# Altium PCB LimeSDR-XTRX_1v0.PcbDoc (part 1 of 8) (continued)
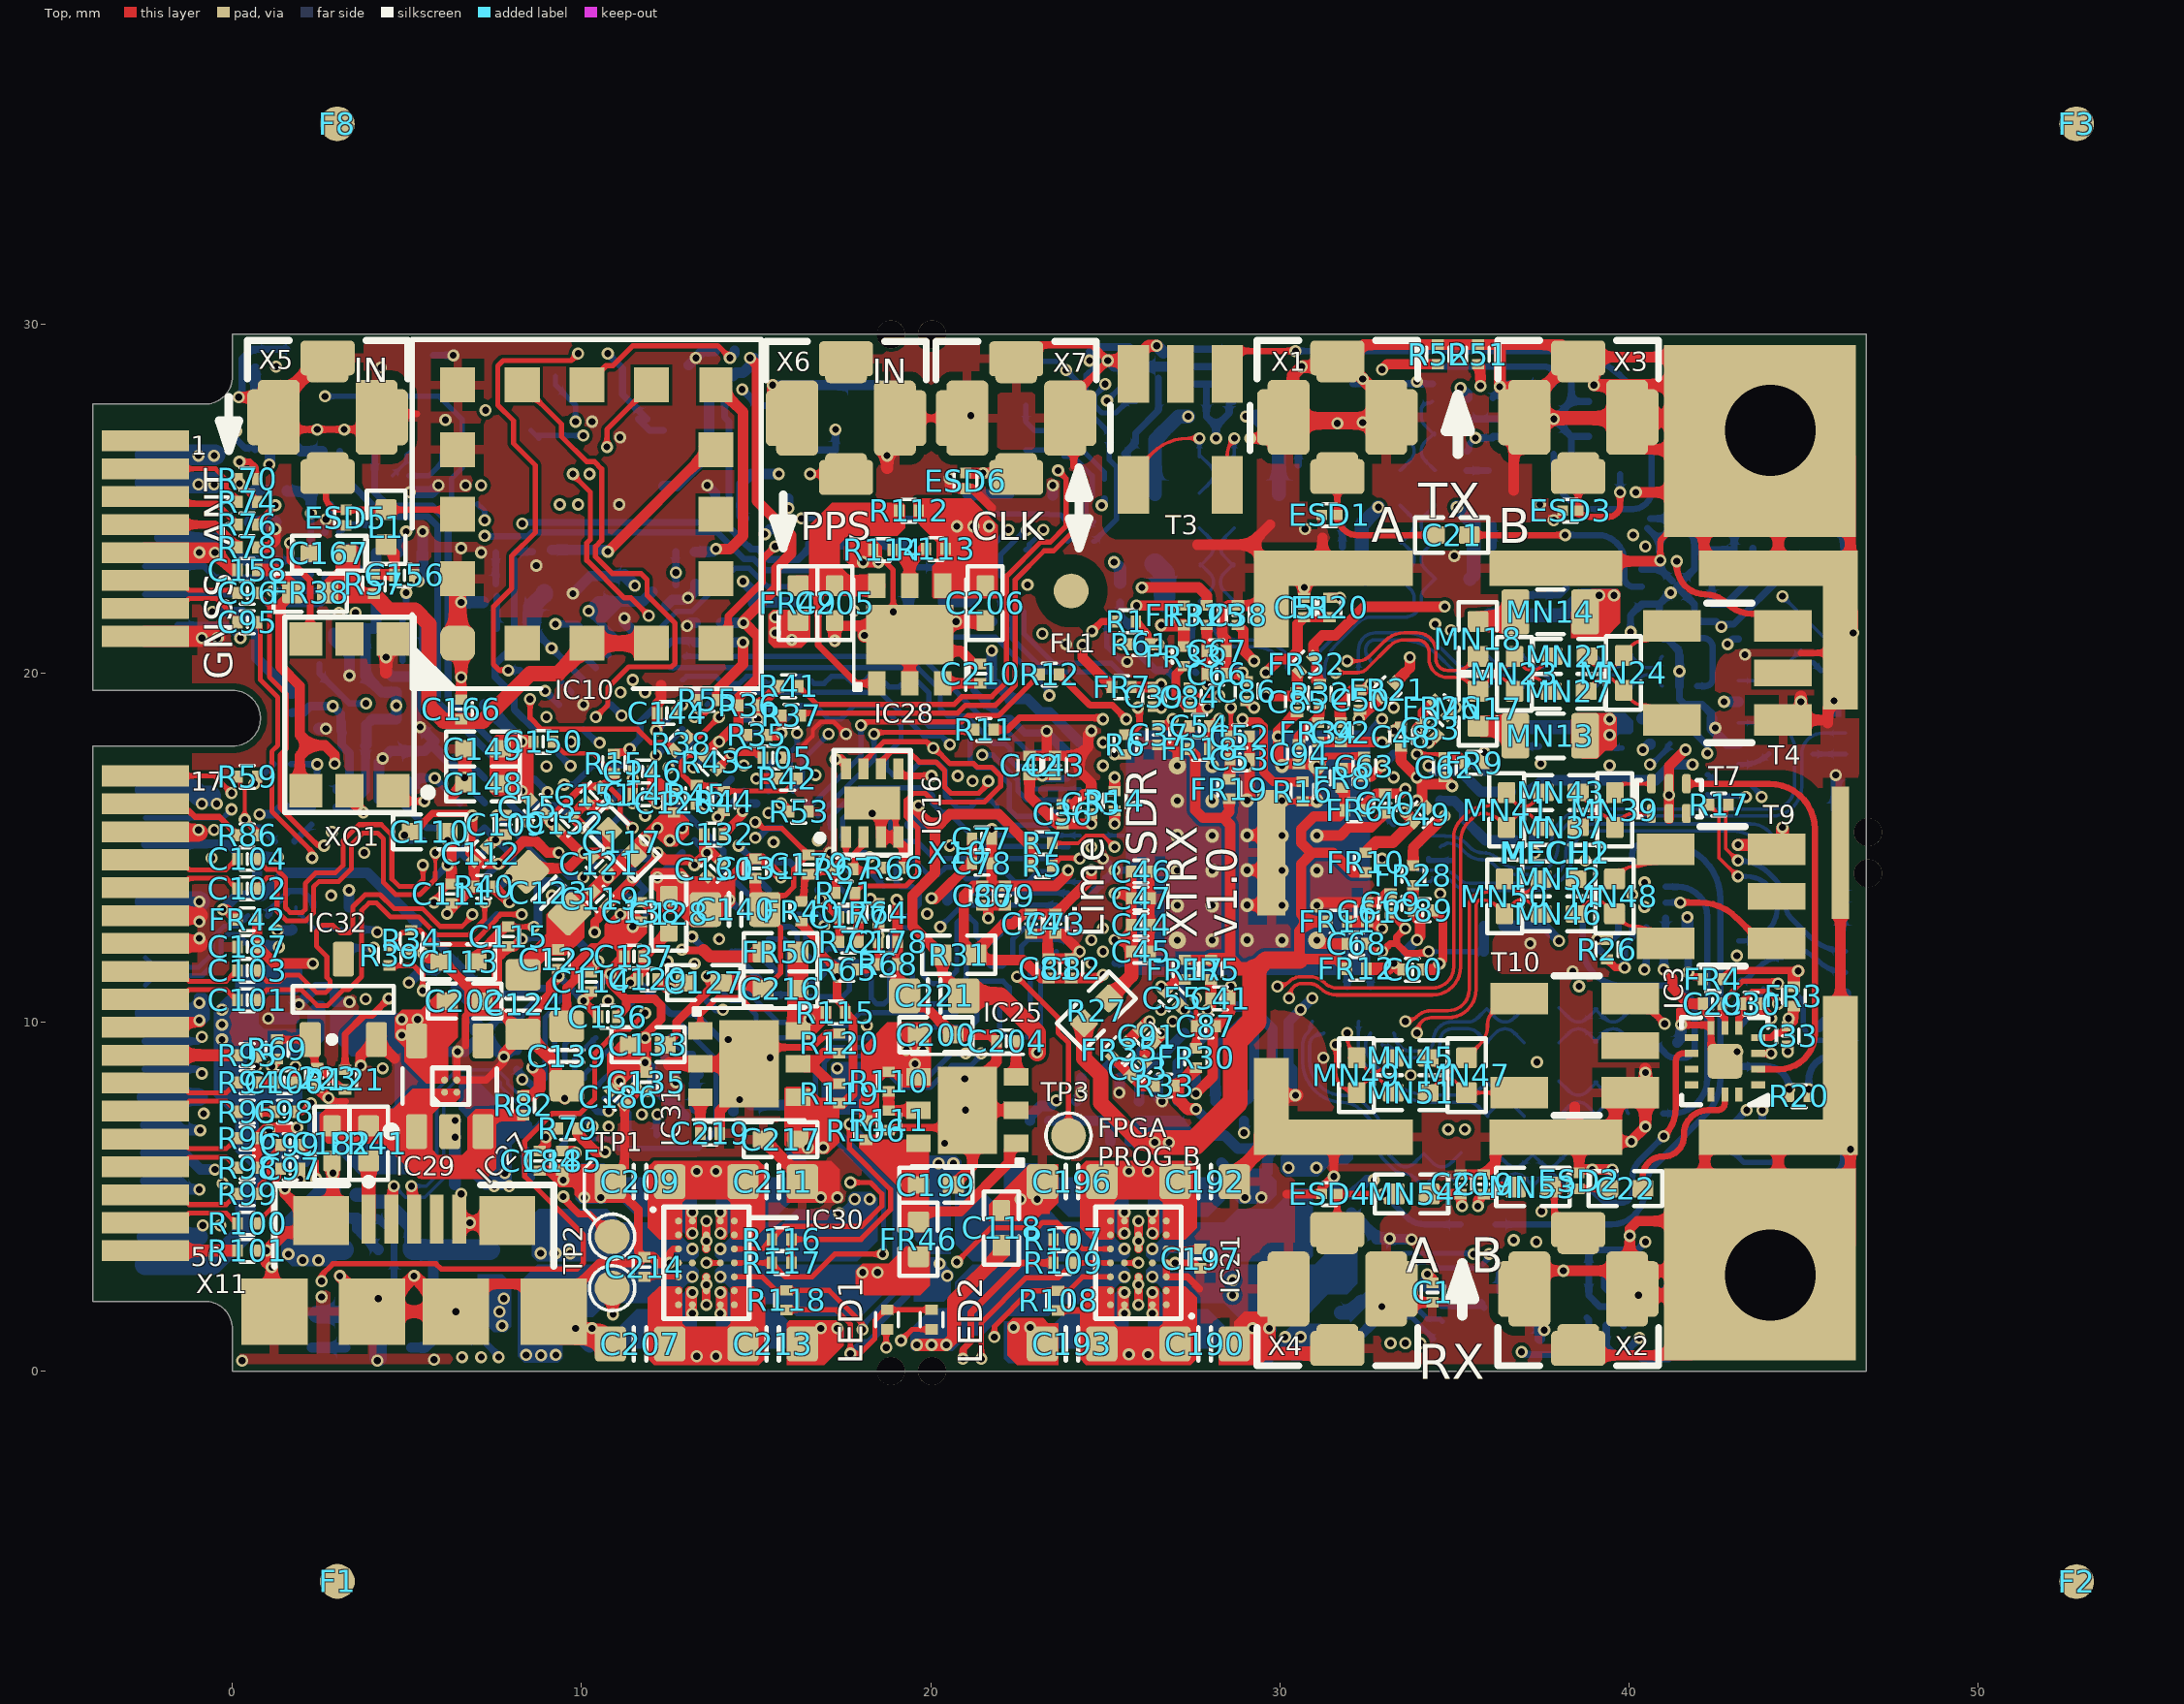
[diagram p0: Top view]
## Components (designator, comment, footprint, x,y, rotation, side; value= is the part's Value field where it differs from the comment) (continued)
C79 "1nF, 25V" CAP0201 22.13,13.62 r270 top
C80 "1uF, 6.3V" CAP0201 21.475,13.62 r270 top value="1uF, 20%"
C81 "1nF, 25V" CAP0201 23.375,11.537 r90 top
C82 "1uF, 6.3V" CAP0201 24.025,11.537 r90 top value="1uF, 20%"
C83 "1uF, 6.3V" CAP0201 34.3,18.4 r315 top value="1uF, 20%"
C84 "1uF, 6.3V" CAP0201 27.425,19.3 r90 top value="1uF, 20%"
C85 "1uF, 6.3V" CAP0201 30.495,19.161 r270 top value="1uF, 20%"
C86 "1uF, 6.3V" CAP0201 29.05,19.475 r90 top value="1uF, 20%"
C87 "1uF, 6.3V" CAP0201 27.881,9.875 r0 top value="1uF, 20%"
C88 "1uF, 6.3V" CAP0201 27.875,8.4 r180 bottom value="1uF, 20%"
C89 "1uF, 6.3V" CAP0201 34.1,13.2 r0 top value="1uF, 20%"
C90 "1uF, 6.3V" CAP0201 36.1,15.485 r90 bottom value="1uF, 20%"
C91 "1uF, 6.3V" CAP0201 26.2,9.6 r315 top value="1uF, 20%"
C92 "1uF, 6.3V" CAP0201 31.75,18.3 r90 top value="1uF, 20%"
C93 "1uF, 6.3V" CAP0201 25.937,8.662 r45 top value="1uF, 20%"
C94 "1uF, 6.3V" CAP0201 30.55,17.675 r270 top value="1uF, 20%"
C95 "100nF, 6.3V" CAP0201 0.425,21.453 r0 top
C96 "100nF, 6.3V" CAP0201 0.425,22.297 r0 top
C97 "100nF, 6.3V" CAP0201 1.655,5.8 r0 top
C98 "0R" CAP0201 1.487,7.428 r180 top
C99 "100nF, 6.3V" CAP0201 1.655,6.475 r0 top
C100 "0R" CAP0201 1.487,8.272 r180 top
C101 "100nF, 6.3V" CAP0201 0.425,10.628 r0 top
C102 "0R" CAP0201 0.425,13.828 r180 top
C103 "100nF, 6.3V" CAP0201 0.425,11.472 r0 top
C104 "0R" CAP0201 0.425,14.672 r180 top
C105 "100nF, 6.3V" CAP0201 15.475,17.575 r0 top
C106 "1nF, 25V" CAP0201 6.587,11.152 r225 bottom
C107 "4.7uF, 6.3V" CAP0402#2 5.075,17.375 r315 bottom
C108 "100nF, 6.3V" CAP0201 4.475,16.375 r180 bottom
C109 "100nF, 6.3V" CAP0201 7.825,15.65 r270 top
C110 "4.7uF, 6.3V" CAP0402#1 5.65,15.45 r180 top
C111 "100nF, 6.3V" CAP0201 6.275,13.675 r90 top
C112 "100nF, 6.3V" CAP0201 7.106,14.817 r45 top
C113 "4.7uF, 6.3V" CAP0402#1 6.475,11.725 r0 top
C114 "470nF, 6.3V" CAP0201 10.275,11.15 r270 top
C115 "470nF, 6.3V" CAP0201 7.9,12.45 r270 top
C116 "47uF, 6.3V" CAP0603#1 31.85,5.625 r90 bottom
C117 "4.7uF, 6.3V" CAP0402#1 11.15,15.15 r315 top
C118 "4.7uF, 6.3V" CAP0402#1 22.025,4.1 r270 top
C119 "470nF, 6.3V" CAP0201 10.525,13.525 r315 top
C120 "470nF, 6.3V" CAP0201 12.65,16.28 r90 top
C121 "470nF, 6.3V" CAP0201 10.5,14.525 r135 top
C122 "470nF, 6.3V" CAP0201 9.325,11.8 r270 top
C123 "47uF, 6.3V" CAP0603#2 9.05,13.7 r315 top
C124 "47uF, 6.3V" CAP0603#2 8.325,10.5 r90 top
C125 "47uF, 6.3V" CAP0603#1 16.9,7.95 r0 bottom
C126 "1uF, 6.3V" CAP0201 13.261,21.155 r90 bottom value="1uF, 20%"
C127 "4.7uF, 6.3V" CAP0402#1 13.5,11.125 r180 top
C128 "4.7uF, 6.3V" CAP0402#1 12.5,13.1 r90 top
C129 "470nF, 6.3V" CAP0201 11.9,11.225 r180 top
C130 "470nF, 6.3V" CAP0201 13.8,14.375 r45 top
C131 "470nF, 6.3V" CAP0201 14.975,14.4 r270 top
C132 "470nF, 6.3V" CAP0201 13.795,15.375 r180 top
C133 "4.7uF, 6.3V" CAP0402#1 11.9,9.35 r180 top
C134 "4.7uF, 6.3V" CAP0402#2 13.85,8.5 r180 bottom
C135 "470nF, 6.3V" CAP0201 11.85,8.275 r270 top
C136 "470nF, 6.3V" CAP0201 10.75,10.15 r180 top
C137 "470nF, 6.3V" CAP0201 11.5,11.875 r0 top
C138 "470nF, 6.3V" CAP0201 11.695,13.155 r90 top
C139 "47uF, 6.3V" CAP0603#2 9.575,9.025 r90 top
C140 "47uF, 6.3V" CAP0603#2 14.4,13.225 r180 top
C141 "47uF, 6.3V" CAP0603#1 13.8,7.275 r180 bottom
C142 "4.7uF, 6.3V" CAP0402#2 8.075,21.197 r0 bottom
C143 "4.7uF, 6.3V" CAP0402#2 10.85,22.424 r225 bottom
C144 "470nF, 6.3V" CAP0201 12.445,18.85 r180 top
C145 "470nF, 6.3V" CAP0201 11.747,16.525 r0 top
C146 "470nF, 6.3V" CAP0201 11.747,17.175 r0 top
C147 "470nF, 6.3V" CAP0201 12.225,22.125 r315 bottom
C148 "4.7uF, 6.3V" CAP0402#1 7.175,16.825 r0 top
C149 "4.7uF, 6.3V" CAP0402#1 7.175,17.825 r0 top
C150 "470nF, 6.3V" CAP0201 8.9,18.025 r0 top
C151 "470nF, 6.3V" CAP0201 10.35,16.5 r45 top
C152 "470nF, 6.3V" CAP0201 9.525,15.7 r225 top
C153 "470nF, 6.3V" CAP0201 8.725,16.15 r315 top
C154 "47uF, 6.3V" CAP0603#1 8.075,22.3 r0 bottom
C155 "47uF, 6.3V" CAP0603#1 6.634,18.66 r45 bottom
C156 "1nF, 25V" CAP0201 4.925,22.8 r0 top
C157 "1nF, 25V" CAP0201 20.995,23.405 r270 bottom
C158 "100nF, 6.3V" CAP0201 0.425,22.95 r180 top
C159 "100nF, 6.3V" CAP0201 13.85,24.655 r90 bottom
C160 "100nF, 6.3V" CAP0201 40.105,0.4 r0 bottom
C161 "22pF, 50V" CAP0201 12.98,22.555 r0 bottom
C162 "22pF, 50V" CAP0201 7.82,23.445 r180 bottom
C163 "22pF, 50V" CAP0201 14.1,29.225 r180 bottom
C164 "1nF, 25V" CAP0201 1.525,15.175 r0 bottom
C165 "22pF, 50V" CAP0201 6.675,1.155 r90 bottom
C166 "100pF, 50V" CAP0201 6.55,18.959 r270 top
C167 "4.7uF, 6.3V" CAP0402#1 2.75,23.425 r0 top
C168 "100nF, 6.3V" CAP0201 4.975,19.45 r0 bottom
C169 "1nF, 25V" CAP0201 4.975,18.7 r180 bottom
C170 "100nF, 6.3V" CAP0201 24.925,28.725 r0 bottom
C171 "1nF, 25V" CAP0201 5.15,20.35 r180 bottom
C172 "100nF, 6.3V" CAP0201 3.175,21.275 r180 bottom
C173 "100nF, 6.3V" CAP0201 21.095,21.75 r270 bottom
C174 "1uF, 6.3V" CAP0201 16.275,23.685 r180 bottom value="1uF, 20%"
C175 "4.7uF, 6.3V" CAP0402#2 1.225,23.725 r270 bottom
C176 "1uF, 6.3V" CAP0201 1.28,25.25 r180 bottom value="1uF, 20%"
C177 "100nF, 6.3V" CAP0201 17.65,13 r180 top
C178 "100nF, 6.3V" CAP0201 18.775,12.3 r0 top
C179 "100nF, 6.3V" CAP0201 16.5,14.51 r90 top
C180 "100nF, 6.3V" CAP0201 0.65,28.995 r90 bottom
C181 "100nF, 6.3V" CAP0201 2.53,24.825 r0 bottom
C182 "1uF, 10V" CAP0402#1 2.85,6.525 r90 top
C183 "1uF, 6.3V" CAP0201 8.4,6.6 r270 bottom value="1uF, 20%"
C184 "1uF, 6.3V" CAP0201 8.8,6.021 r270 top value="1uF, 20%"
C185 "1uF, 6.3V" CAP0201 9.446,6.021 r270 top value="1uF, 20%"
C186 "1uF, 6.3V" CAP0201 11.05,7.85 r315 top value="1uF, 20%"
C187 "100nF, 6.3V" CAP0201 0.425,12.15 r180 top
C188 "4.7uF, 6.3V" CAP0402#2 6.325,2.975 r90 bottom
C189 "4.7uF, 6.3V" CAP0402#2 2.01,2.975 r90 bottom
C190 "10uF, 10V" CAP0603#2 27.85,0.775 r180 top
C191 "47uF, 6.3V" CAP0603#1 22.6,1.55 r90 bottom
C192 "10uF, 10V" CAP0603#2 27.85,5.425 r180 top
C193 "10uF, 10V" CAP0603#2 24.05,0.775 r0 top
C194 "100pF, 50V" CAP0201 2,0.675 r0 bottom
C195 "47uF, 6.3V" CAP0603#1 29.3,1.55 r90 bottom
C196 "10uF, 10V" CAP0603#2 24.05,5.425 r0 top
C197 "100nF, 6.3V" CAP0201 27.725,3.22 r270 top
C198 "47uF, 6.3V" CAP0603#1 22.6,4.65 r270 bottom
C199 "4.7uF, 6.3V" CAP0402#1 20.15,5.325 r180 top
C200 "4.7uF, 6.3V" CAP0402#1 20.146,9.636 r180 top
C201 "47uF, 6.3V" CAP0603#1 29.3,4.65 r270 bottom
C202 "1uF, 10V" CAP0402#1 6.65,10.6 r180 top
C203 "10uF, 10V" CAP0603#1 7.029,8.675 r270 bottom
C204 "100pF, 50V" CAP0201 22.17,9.445 r0 top
C205 "4.7uF, 6.3V" CAP0402#1 17.25,22 r90 top
C206 "4.7uF, 6.3V" CAP0402#1 21.565,22 r90 top
C207 "10uF, 10V" CAP0603#2 11.675,0.775 r0 top
C208 "47uF, 6.3V" CAP0603#1 16.925,4.65 r270 bottom
C209 "10uF, 10V" CAP0603#2 11.675,5.425 r0 top
C210 "100pF, 50V" CAP0201 21.42,19.98 r270 top
C211 "10uF, 10V" CAP0603#2 15.475,5.425 r180 top
C212 "47uF, 6.3V" CAP0603#1 10.225,4.65 r270 bottom
C213 "10uF, 10V" CAP0603#2 15.475,0.775 r180 top
C214 "100nF, 6.3V" CAP0201 11.8,2.98 r90 top
C215 "47uF, 6.3V" CAP0603#1 16.925,1.55 r90 bottom
C216 "4.7uF, 6.3V" CAP0402#1 15.7,10.95 r0 top
C217 "4.7uF, 6.3V" CAP0402#1 15.7,6.635 r0 top
C218 "47uF, 6.3V" CAP0603#1 10.225,1.55 r90 bottom
C219 "100pF, 50V" CAP0201 13.68,6.805 r180 top
C220 "4.7uF, 6.3V" CAP0402#2 32.275,3.725 r180 bottom
C221 "10uF, 10V" CAP0603#2 20.1,10.75 r0 top
C222 "1uF, 6.3V" CAP0201 31.75,0.7 r0 bottom value="1uF, 20%"
C223 "100nF, 6.3V" CAP0201 2.425,8.4 r270 top
ESD1 "ESD8472" ESD8472_X3DFN2 31.425,24.525 r180 top
ESD2 "ESD8472" ESD8472_X3DFN2 38.575,5.45 r90 top
ESD3 "ESD8472" ESD8472_X3DFN2 38.325,24.65 r180 top
ESD4 "ESD8472" ESD8472_X3DFN2 31.425,5.075 r180 top
ESD5 "ESD8472" ESD8472_X3DFN2 3.25,24.45 r270 top
ESD6 "ESD8472" ESD8472_X3DFN2 21,25.5 r270 top
F1 "Fiducial" Fiducial 3.005,-6.025 r0 top locked
F2 "Fiducial" Fiducial 52.825,-6.03 r0 top locked
F3 "Fiducial" Fiducial 52.825,35.73 r0 top locked
F4 "Fiducial" Fiducial 3,35.73 r180 bottom locked
F5 "Fiducial" Fiducial 3.005,-6.025 r180 bottom locked
F6 "Fiducial" Fiducial 52.825,-6.03 r180 bottom locked
F7 "Fiducial" Fiducial 52.825,35.73 r180 bottom locked
F8 "Fiducial" Fiducial 3,35.73 r0 top locked
FL1 "Fiducial" Fiducial_local 24.025,22.35 r0 top
FL2 "Fiducial" Fiducial_local 24.025,22.35 r180 bottom
FR1 "600R, 0.27A" RES0201 45.075,23.1 r90 bottom value=600R@100MHz
FR2 "600R, 0.27A" RES0201 35.375,27.605 r270 bottom value=600R@100MHz
FR3 "600R, 0.27A" RES0201 44.725,10.735 r90 top value=600R@100MHz
FR4 "600R, 0.27A" RES0201 42.4,11.225 r0 top value=600R@100MHz
FR5 "600R, 0.27A" RES0201 28.025,11.5 r90 top value=600R@100MHz
FR6 "600R, 0.27A" RES0201 32.147,16.065 r180 top value=600R@100MHz
FR7 "600R, 0.27A" RES0201 25.472,19.595 r180 top value=600R@100MHz
FR8 "600R, 0.27A" RES0201 31.772,16.99 r270 top value=600R@100MHz
FR9 "600R, 0.27A" RES0201 35.575,17.425 r0 top value=600R@100MHz
FR10 "600R, 0.27A" RES0201 32.459,14.57 r270 top value=600R@100MHz
FR11 "600R, 0.27A" RES0201 31.65,12.875 r180 top value=600R@100MHz
FR12 "600R, 0.27A" RES0201 32.2,11.525 r180 top value=600R@100MHz
FR13 "600R, 0.27A" RES0201 29.8,7.45 r270 bottom value=600R@100MHz
FR14 "600R, 0.27A" RES0201 27.075,7.45 r270 bottom value=600R@100MHz
FR15 "600R, 0.27A" RES0201 25.97,7.45 r270 bottom value=600R@100MHz
FR16 "600R, 0.27A" RES0201 25.425,6.575 r0 bottom value=600R@100MHz
FR17 "600R, 0.27A" RES0201 27.275,11.5 r90 top value=600R@100MHz
FR18 "600R, 0.27A" RES0201 27.7,17.825 r180 top value=600R@100MHz
FR19 "600R, 0.27A" RES0201 28.55,16.675 r270 top value=600R@100MHz
FR20 "600R, 0.27A" RES0201 31.425,21.875 r90 top value=600R@100MHz
FR21 "600R, 0.27A" RES0201 33.097,19.515 r45 top value=600R@100MHz
FR22 "600R, 0.27A" RES0201 36.905,16.595 r0 bottom value=600R@100MHz
FR23 "600R, 0.27A" RES0201 29,7.45 r270 bottom value=600R@100MHz
FR24 "600R, 0.27A" RES0201 36.125,12.75 r0 bottom value=600R@100MHz
FR25 "600R, 0.27A" RES0201 27.909,21.655 r90 top value=600R@100MHz
FR26 "600R, 0.27A" RES0201 34.625,19 r315 top value=600R@100MHz
FR27 "600R, 0.27A" RES0201 37.025,15.205 r180 bottom value=600R@100MHz
FR28 "600R, 0.27A" RES0201 33.82,14.2 r270 top value=600R@100MHz
FR29 "600R, 0.27A" RES0201 28.15,7.45 r270 bottom value=600R@100MHz
FR30 "600R, 0.27A" RES0201 27.601,8.97 r270 top value=600R@100MHz
FR31 "600R, 0.27A" RES0201 27.25,21.65 r270 top value=600R@100MHz
FR32 "600R, 0.27A" RES0201 30.768,20.248 r45 top value=600R@100MHz
FR33 "600R, 0.27A" RES0201 27.25,20.475 r90 top value=600R@100MHz
FR34 "600R, 0.27A" RES0201 31.1,18.3 r270 top value=600R@100MHz
FR35 "600R, 0.27A" RES0201 25.4,9.2 r225 top value=600R@100MHz
FR36 "600R, 0.27A" RES0201 12.95,23.475 r0 bottom value=600R@100MHz
FR37 "600R, 0.27A" RES0201 8.875,23.525 r0 bottom value=600R@100MHz
FR38 "220R, 0.9A" RES0402#1 2.225,22.3 r0 top
FR39 "600R, 0.27A" RES0201 14.1,28.225 r270 bottom value=600R@100MHz
FR40 "600R, 0.27A" RES0201 16.295,13.175 r90 top value=600R@100MHz
FR41 "220R, 0.9A" RES0402#1 3.9,6.525 r90 top
FR42 "600R, 0.27A" RES0201 0.425,12.939 r0 top
FR43 "220R, 0.9A" RES0402#2 7.375,2.975 r90 bottom
FR44 "220R, 0.9A" RES0402#2 20.775,2.55 r180 bottom
FR45 "220R, 0.9A" RES0402#2 20.775,3.65 r180 bottom
FR46 "220R, 0.9A" RES0402#1 19.65,3.775 r90 top
FR47 "220R, 0.9A" RES0402#2 30.65,5.375 r90 bottom
FR48 "600R, 2A" RES0805#1 6.175,6.45 r0 bottom
FR49 "220R, 0.9A" RES0402#1 16.2,22 r90 top
FR50 "220R, 0.9A" RES0402#1 15.7,12 r0 top
FR51 "220R, 0.9A" RES0402#2 30.575,1.55 r270 bottom
FR52 "220R, 0.9A" RES0402#2 31.75,2.175 r270 bottom
IC1 "LMS7002M" LMS7002M_V5_LESS_SILK 29.265,14.85 r180 bottom locked
IC2 "M24128" M24128-DFMC6TG 36.05,1.675 r180 bottom
IC3 "SKY13414-485LF" SKY13414-485LF_RF_SW_QFN14 42.75,8.875 r180 top
IC4 "SKY13414-485LF" SKY13414-485LF_RF_SW_QFN14 40.1,13.65 r180 bottom
IC5 "SKY13330-397LF" SKY13330-397LF_RF_SW_QFN12 41.375,22.475 r0 bottom
IC6 "SKY13330-397LF" SKY13330-397LF_RF_SW_QFN12 37.85,27.275 r180 bottom
IC7 "XC7A50T-2CPG236I" XC7A35T-2CPG236 11.467,14.85 r315 bottom locked
IC8 "TMP1075NDRLR" TMP1075NDRLR_TEMPERATURE_SENSOR_SOT563 39.35,2.05 r270 bottom locked
IC9 "74LVC1G34QSE-7" 74AHCT1G126SE-7_BUFFER_SOT353 18.4,23.025 r180 bottom
IC10 "GNSS M10578-A3" M10578-A3_V2 10.15,24.55 r90 top locked
IC11 "74LVC1G34QSE-7" 74AHCT1G126SE-7_BUFFER_SOT353 3.15,19.25 r90 bottom
IC12 "74LVC1G3157FZ4" 74LVC1G3157FZ4_SPDT_SW_DFN1410-6 2.625,16.15 r0 bottom
IC13 "M24128" M24128-DFMC6TG 27.275,28.525 r180 bottom
IC14 "74LVC1G34QSE-7" 74AHCT1G126SE-7_BUFFER_SOT353 4.775,22.475 r270 bottom
IC15 "NVT4555UKZ" NVT4555UKZ_SIM_INTERFACE_WLCSP12 2.65,23.425 r180 bottom
IC16 "AD5693RACPZ" AD5693RACPZ-1RL7_DAC_8LFCSP 18.325,16.275 r90 top
IC17 "MX25L25645GZ2I-08G" S25FL164K_WSON8_DFN6 19.425,27 r180 bottom locked
IC18 "USB3333E-GL" USB3333E-GL_USB_PHY_25WLCSP 9.516,7.809 r45 bottom
IC19 "PI5A23157ZUAEX" PI5A23157ZUAEX_SPDT_SW_10UQFN 2.575,12.65 r270 bottom
IC20 "LD39100PUR" LD39100PUR 4.175,2.075 r180 bottom
IC21 "LP8758A1E0YFFR" LP8758A1E0YFFR_QUAD_DC-DC_35DSBGA 25.95,3.1 r180 top
IC22 "MAX40200ANS+" MAX40200ANS+_IDEAL_DIODE_4WLP 2.725,7.15 r0 bottom
IC23 "MAX40200ANS+" MAX40200ANS+_IDEAL_DIODE_4WLP 2.725,10.325 r0 bottom
IC24 "MAX40203AUK" SOT23-5_v1#1 2.725,7.125 r0 bottom
IC25 "LD39100PUR" LD39100PUR 21.05,7.475 r90 top
IC26 "MAX40203AUK" SOT23-5_v1#1 2.725,10.3 r0 bottom
IC27 "MAX40200ANS+" MAX40200ANS+_IDEAL_DIODE_4WLP 6.25,8.162 r90 top
IC28 "LD39100PUR" LD39100PUR 19.4,21.1 r0 top
IC29 "MAX40203AUK" SOT23-5_v1#2 6.225,8.162 r90 top
IC30 "LP8758A1E0YFFR" LP8758A1E0YFFR_QUAD_DC-DC_35DSBGA 13.575,3.1 r0 top
IC31 "LD39100PUR" LD39100PUR 14.8,8.8 r270 top
IC32 "LM4040D30FTA" LM4040D30FTA_VOLTAGE_REFERENCE_SOT23-3 3.175,10.65 r90 top
L1 "47nH" RES0402#1 4.4,24.175 r270 top
L2 "0.47uH, 4A" IND0806 24.275,1.65 r90 bottom
L3 "0.47uH, 4A" IND0806 27.625,1.65 r90 bottom
L4 "0.47uH, 4A" IND0806 24.275,4.55 r270 bottom
L5 "0.47uH, 4A" IND0806 27.625,4.55 r270 bottom
L6 "0.47uH, 4A" IND0806 15.225,4.55 r270 bottom
L7 "0.47uH, 4A" IND0806 11.925,4.55 r270 bottom
L8 "0.47uH, 4A" IND0806 15.225,1.65 r90 bottom
L9 "0.47uH, 4A" IND0806 11.925,1.65 r90 bottom
LED1 "LED_green" LED0201 18.75,1.475 r270 top
LED2 "LED_green" LED0201 20.025,1.475 r270 top
MECH1 "BMI-S-202-C" BMI-S-202-C_RF_SHIELD_COVER 37.868,14.85 r0 top
MECH2 "BMI-S-202-F" BMI-S-202-F_RF_SHIELD_FRAME_V2 37.909,14.85 r0 top locked
MN1 "10 nH, 5%" RES0402#2 35.9,19.05 r270 bottom
MN2 "10 nH, 5%" RES0402#2 35.9,21.05 r90 bottom
MN3 "10 nH, 5%" RES0402#2 34.95,22.7 r0 bottom
MN4 "10 nH, 5%" RES0402#2 32.95,22.7 r180 bottom
MN5 "10 pF, 50V" CAP0402#2 38.5,20.55 r0 bottom
MN6 "10 pF, 50V" CAP0402#2 33.45,25.3 r90 bottom
MN7 "0.5pF" CAP0402#2 40.05,20.05 r270 bottom
MN8 "0.5pF" CAP0402#2 33.95,26.85 r0 bottom
MN9 "1pF" CAP0402#2 36.95,20.05 r90 bottom
MN10 "1pF" CAP0402#2 33.95,23.75 r180 bottom
MN11 "10 pF, 50V" CAP0402#2 38.5,19.55 r180 bottom
MN12 "10 pF, 50V" CAP0402#2 34.45,25.3 r270 bottom
MN13 "100uH" RES0805#2 37.75,18.2 r0 top
MN14 "100uH" RES0805#2 37.75,21.75 r0 top
MN15 "100uH" RES0805#1 26.425,24.125 r90 bottom
MN16 "100uH" RES0805#1 29.975,24.125 r90 bottom
MN17 "0R" RES0402#1 35.675,18.975 r270 top
MN18 "0R" RES0402#1 35.675,20.975 r90 top
MN19 "0R" RES0402#2 27.2,22.05 r180 bottom
MN20 "0R" RES0402#2 29.2,22.05 r0 bottom
MN21 "100nF, 16V" CAP0402#1 38.3,20.475 r180 top
MN22 "100nF, 16V" CAP0402#2 28.7,24.65 r270 bottom
MN23 "1pF, 50V" CAP0402#1 36.725,19.975 r270 top
MN24 "2pF, 50V" CAP0402#1 39.85,20 r90 top
MN25 "1pF, 50V" CAP0402#2 28.2,23.1 r180 bottom
MN26 "2pF, 50V" CAP0402#2 28.2,26.2 r0 bottom
MN27 "100nF, 16V" CAP0402#1 38.275,19.475 r0 top
MN28 "100nF, 16V" CAP0402#2 27.7,24.65 r90 bottom
MN29 "470pF, 50V" CAP0402#2 37.502,10.405 r180 bottom
MN30 "470pF, 50V" CAP0402#2 35.697,6.253 r180 bottom
MN31 "10 nH, 5%" RES0402#2 37.248,5.753 r90 bottom
MN32 "10 nH, 5%" RES0402#2 39.052,9.905 r90 bottom
MN33 "1pF, 50V" CAP0402#2 34.147,5.753 r90 bottom
MN34 "1pF, 50V" CAP0402#2 35.952,9.905 r90 bottom
MN35 "470pF, 50V" CAP0402#2 35.697,5.253 r180 bottom
MN36 "470pF, 50V" CAP0402#2 37.502,9.405 r180 bottom
MN37 "10 pF, 50V" CAP0402#1 38.048,15.575 r180 top
MN38 "10 pF, 50V" CAP0402#2 37.502,8.305 r180 bottom
MN39 "0.5pF, 50V" CAP0402#1 39.598,16.075 r270 top
MN40 "0.5pF, 50V" CAP0402#2 39.052,7.805 r90 bottom
MN41 "1pF, 50V" CAP0402#1 36.498,16.075 r270 top
MN42 "1pF, 50V" CAP0402#2 35.952,7.805 r90 bottom
MN43 "10 pF, 50V" CAP0402#1 38.048,16.575 r180 top
MN44 "10 pF, 50V" CAP0402#2 37.502,7.305 r180 bottom
MN45 "100pF, 50V" CAP0402#1 33.75,8.975 r180 top
MN46 "100pF, 50V" CAP0402#1 37.988,13.1 r180 top
MN47 "10 nH, 5%" RES0402#1 35.35,8.475 r90 top
MN48 "10 nH, 5%" RES0402#1 39.588,13.6 r270 top
MN49 "0.8pF" CAP0402#1 32.2,8.475 r90 top
MN50 "0.8pF" CAP0402#1 36.438,13.6 r270 top
MN51 "100pF, 50V" CAP0402#1 33.75,7.975 r180 top
MN52 "100pF, 50V" CAP0402#1 37.988,14.1 r180 top
MN53 "47nH" RES0402#1 37.25,5.275 r180 top
MN54 "47nH" RES0402#1 33.775,5.075 r0 top
R1 "0R" RES0201 25.6,21.475 r180 top
R2 "15R, 1%" RES0201 20.917,13.697 r0 bottom
R3 "3k, 1%" RES0201 32.775,2.65 r270 bottom
R4 "3k, 1%" RES0201 33.85,2.15 r90 bottom
R5 "10k, 1%" RES0201 23.2,14.475 r0 top
R6 "10k, 1%" RES0201 25.575,17.95 r270 top
R7 "10k, 1%" RES0201 23.2,15.125 r180 top
R8 "10k, 1%" RES0201 19.425,15.375 r90 bottom
R9 "10k, 1%" RES0201 20.1,15.935 r270 bottom
R10 "47R, 1%" RES0201 22,22.5 r90 bottom
R11 "47R, 1%" RES0201 21.525,18.375 r180 top
R12 "47R, 1%" RES0201 23.4,19.957 r180 top
R13 "47R, 1%" RES0201 22.725,23.25 r90 bottom
R14 "15R, 1%" RES0201 25.27,16.335 r270 top
R15 "10k, 1%" RES0201 10.925,17.4 r90 top
R16 "10k, 1%" RES0201 30.65,16.6 r270 top
R17 "100R, 1%" RES0201 42.575,16.225 r0 top
R18 "100R, 1%" RES0201 35.85,13.875 r270 bottom
R19 "100R, 1%" RES0201 42.25,16.8 r90 bottom
R20 "100R, 1%" RES0201 44.875,7.875 r0 top
R21 "1k, 1%" RES0201 8.518,20.075 r0 bottom
R22 "1k, 1%" RES0201 40.9,17.975 r180 bottom
R23 "1k, 1%" RES0201 40.895,18.7 r180 bottom
R24 "4.7k, 1%" RES0201 35.35,26.075 r270 bottom
R25 "4.7k, 1%" RES0201 42.095,18.7 r0 bottom
R26 "4.7k, 1%" RES0201 39.375,12.075 r90 top
R27 "0R" RES0402#1 24.746,10.321 r45 top
R28 "10R" RES0201 23.12,7.171 r0 bottom
R29 "10R" RES0201 24.875,7.45 r270 bottom
R30 "0R" RES0201 25.425,22.3 r90 bottom
R31 "0R" RES0402#1 20.8,11.925 r0 top
R32 "10R" RES0201 31.15,19.4 r90 top
R33 "10R" RES0201 26.7,8.175 r180 top
R34 "10k, 1%" RES0201 5.125,12.35 r90 top
R35 "10k, 1%" RES0201 15.025,18.225 r0 top
R36 "10k, 1%" RES0201 14.775,19.075 r0 top
R37 "15R, 1%" RES0201 16,18.775 r180 top
R38 "15R, 1%" RES0201 12.85,17.975 r45 top
R39 "15R, 1%" RES0201 4.5,11.9 r90 top
R40 "100R, 1%" RES0201 7.2,13.875 r0 top
R41 "15R, 1%" RES0201 15.93,19.62 r180 top
R42 "330R, 1%" RES0201 15.9,16.971 r180 top
R43 "4.7k, 1%" RES0201 13.702,17.443 r315 top
R44 "330R, 1%" RES0201 14.075,16.325 r270 top
R45 "4.7k, 1%" RES0201 13.3,16.505 r270 top
R46 "0R" RES0201 14.925,21.715 r270 bottom
R47 "3k, 1%" RES0201 5.491,12.644 r135 bottom
R48 "4.7k, 1%" RES0201 16.113,21.738 r270 bottom
R49 "3k, 1%" RES0201 6.039,11.7 r225 bottom
R50 "1k, 1%" RES0201 7.135,10.604 r225 bottom
R51 "0R" RES0201 35.675,29.125 r270 top
R52 "0R" RES0201 34.525,29.125 r270 top
R53 "0R" RES0201 16.224,16.03 r180 top
R54 "100R, 1%" RES0201 14,21.155 r90 bottom
R55 "100R, 1%" RES0201 13.6,19.225 r0 top
R56 "100k, 1%" RES0201 20.35,22.85 r270 bottom
R57 "15R, 1%" RES0201 4.05,22.55 r270 top
R58 "100k, 1%" RES0201 1.705,19.13 r90 bottom
R59 "0R" RES0201 0.425,17.025 r180 top
R60 "0R" RES0201 1.451,17.385 r0 bottom
R61 "47R, 1%" RES0201 26,20.825 r180 top
R62 "1k, 1%" RES0201 14.65,24.15 r90 bottom
R63 "1k, 1%" RES0201 20.35,21.75 r270 bottom
R64 "100R, 1%" RES0201 18.5,13.125 r270 top
R65 "10k, 1%" RES0201 17.6,11.5 r0 top
R66 "0R" RES0201 18.95,14.425 r180 top
R67 "0R" RES0201 17.5,14.378 r0 top
R68 "10k, 1%" RES0201 18.775,11.65 r0 top
R69 "1k, 1%" RES0201 1.275,9.225 r90 top
R70 "47R, 1%" RES0201 0.425,25.55 r0 top
R71 "3k, 1%" RES0201 17.55,13.7 r180 top
R72 "12.7k, 1%" RES0201 17.65,12.3 r180 top
R73 "15R, 1%" RES0201 6.745,24.845 r180 bottom
R74 "0R" RES0201 0.425,24.9 r180 top
R75 "15R, 1%" RES0201 24.975,25.275 r270 bottom
R76 "0R" RES0201 0.425,24.25 r180 top
R77 "10k, 1%" RES0201 8.15,8.925 r270 bottom
R78 "330R, 1%" RES0201 0.425,23.599 r0 top
R79 "0R" RES0201 9.6,6.95 r0 top
R80 "15R, 1%" RES0201 23.925,24.05 r90 bottom
R81 "4.7k, 1%" RES0201 24.675,24.05 r90 bottom
R82 "10k, 1%" RES0201 8.33,7.61 r270 top
R83 "15R, 1%" RES0201 0.65,26.68 r270 bottom
R84 "4.7k, 1%" RES0201 0.65,27.875 r270 bottom
R85 "4.7k, 1%" RES0201 24.83,26.78 r180 bottom
R86 "0R" RES0201 0.422,15.347 r180 top
R87 "47k, 1%" RES0201 0.424,14.875 r0 bottom
R88 "100k, 1%" RES0201 0.424,14.242 r0 bottom
R89 "8.06k, 1%" RES0201 8.739,5.758 r225 bottom
R90 "0R" RES0201 0.725,13.05 r0 bottom
R91 "0R" RES0201 0.725,12.206 r0 bottom
R92 "15R, 1%" RES0201 11.816,6.771 r180 bottom
R93 "0R" RES0201 0.424,9.05 r180 top
R94 "0R" RES0201 0.425,8.272 r180 top
R95 "0R" RES0201 0.425,7.428 r180 top
R96 "0R" RES0201 0.425,6.672 r180 top
R97 "330R, 1%" RES0201 43.7,6.6 r90 bottom
R98 "0R" RES0201 0.425,5.828 r180 top
R99 "0R" RES0201 0.425,5.072 r180 top
R100 "0R" RES0201 0.425,4.228 r180 top
R101 "0R" RES0201 0.425,3.45 r180 top
R102 "330R, 1%" RES0201 42.95,6.605 r90 bottom
R103 "0R" RES0201 3.175,5.075 r180 bottom
R104 "5.6k, 1%" RES0201 2.624,4.367 r0 bottom
R105 "10k, 1%" RES0201 3.857,4.367 r0 bottom
R106 "0R" RES0201 18.15,6.9 r90 top
R107 "3k3, 1%" RES0201 23.795,3.775 r0 top
R108 "47k, 1%" RES0201 23.65,2.02 r90 top
R109 "3k3, 1%" RES0201 23.795,3.1 r0 top
R110 "7.5k, 1%" RES0201 18.8,8.295 r270 top
R111 "10k, 1%" RES0201 18.8,7.185 r270 top
R112 "0R" RES0201 19.375,24.65 r0 top
R113 "12.7k, 1%" RES0201 20.145,23.55 r180 top
R114 "10k, 1%" RES0201 18.635,23.525 r180 top
R115 "0R" RES0201 17.275,10.275 r0 top
R116 "3k3, 1%" RES0201 15.73,3.775 r180 top
R117 "3k3, 1%" RES0201 15.73,3.1 r180 top
R118 "3k3, 1%" RES0201 15.863,2.032 r90 top
R119 "31.6k, 1%" RES0201 17.375,7.955 r90 top
R120 "10k, 1%" RES0201 17.375,9.39 r90 top
R121 "330R, 1%" RES0201 3.225,8.35 r270 top
T1 "3600BL14M050" 3600BL14M050_balun_0603 41.451,20.05 r0 bottom
T2 "3600BL14M050" 3600BL14M050_balun_0603 33.95,28.28 r90 bottom
T3 "TC1-1-13M-45+" TC1-1-13MA+_JA4220-AL_ 27.15,26.975 r0 top locked
T4 "TC1-1-13M-45+" TC1-1-13MA+_JA4220-AL_ 42.825,20 r270 top
T5 "B0322J5050AHF" Anaren_0805_balun_B0322J5050AHF 38.875,5.75 r0 bottom
T6 "B0322J5050AHF" Anaren_0805_balun_B0322J5050AHF 40.735,9.905 r0 bottom
T7 "3600BL14M050" 3600BL14M050_balun_0603 41.15,16.4 r0 top
T8 "3600BL14M050" 3600BL14M050_balun_0603 40.483,7.805 r0 bottom
T9 "TC1-1-13M-45+" TC1-1-13MA+_JA4220-AL_ 42.638,13.6 r270 top
T10 "TC1-1-13M-45+" TC1-1-13MA+_JA4220-AL_ 38.45,9.325 r270 top
TP1 "TESTPOINT_PAD" TP_PAD_1MM 10.875,3.85 r90 top
TP2 "TESTPOINT_PAD" TP_PAD_1MM 10.875,2.375 r90 top
TP3 "TESTPOINT_PAD" TP_PAD_1MM 23.95,6.75 r90 top
X1 "U.FL/MMCX" MMCX_UFL_conn_u_v2 31.65,27.325 r180 top locked
X2 "U.FL/MMCX" MMCX_UFL_conn_u_v2 38.55,2.35 r0 top locked
X3 "U.FL/MMCX" MMCX_UFL_conn_u_v2 38.55,27.325 r180 top locked
X4 "U.FL/MMCX" MMCX_UFL_conn_u_v2 31.65,2.35 r0 top locked
X5 "U.FL/MMCX" MMCX_UFL_conn_u_v2 2.725,27.325 r180 top
X6 "U.FL/MMCX" MMCX_UFL_conn_u_v2 17.575,27.3 r180 top locked
X7 "U.FL/MMCX" MMCX_UFL_conn_u_v2 22.45,27.3 r180 top locked
X8 "5025981593" 5025981593_FPC_CONNECTOR 44.675,10.525 r270 bottom locked
X9 "Molex 0788641001" MOLEX_0788641001_SPRING_CONTACTS 10.45,26.95 r270 bottom locked
X10 "mPCI Express Card Edge connector" PCIe_MiniCard -4,18.7 r270 top locked
X11 "USB Micro Type B" USB_MICRO_TYPEB_47346-0001 5.2,3.025 r0 top locked
X12 "8-pin FPC connector" 503480-0800_8PIN_FPC_CONN 4.325,27.675 r0 bottom locked
X13 "5025981593" 5025981593_FPC_CONNECTOR 44.675,19.175 r270 bottom locked
XO1 "E6982LF" RAKON_E8231LF_E6982LF 3.35,18.8 r90 top locked

## Footprints (in the part's own frame and the unit in brackets; to place one, negate y for a bottom-side part, rotate by r counter-clockwise, add the part's x,y. Pads: shape width x height; smd on the part's side, far side on the other; paste and mask are expansions set on the pad)
74AHCT1G126SE-7_BUFFER_SOT353 [mm]
  rect 1x0.36 smd mask+0.05: 1(-0.965,0.66) 2(-0.965,0) 3(-0.965,-0.66) 4(0.965,-0.66) 5(0.965,0.66)
  silkscreen extent -1.17,-1.1 0.63,1.25, body extent -1.15,-1.05 1.15,1.05, height 1
74LVC1G3157FZ4_SPDT_SW_DFN1410-6 [mm]
  rect 0.525x0.25 smd mask+0.05: 1(-0.363,0.5) 2(-0.363,0) 3(-0.363,-0.5) 4(0.363,-0.5) 5(0.363,0) 6(0.363,0.5)
  silkscreen extent -0.5,-0.8 0.5,1.15, body extent -0.51,-0.7 0.51,0.7, height 0.4
3600BL14M050_balun_0603 [mm]
  rrect50% 0.25x0.55 smd mask+0.04: 1(0.5,0.425) 2(0,0.425) 3(-0.5,0.425) 4(-0.5,-0.425) 5(0,-0.425) 6(0.5,-0.425)
  silkscreen extent -0.92,-0.53 0.92,0.53, body extent -0.8,-0.41 0.8,0.41, height 0.6
503480-0800_8PIN_FPC_CONN [mm]
  rect 0.3x0.7 smd mask+0.05: 1(-1.75,1.325) 2(-1.25,1.325) 3(-0.75,1.325) 4(-0.25,1.325) 5(0.25,1.325) 6(0.75,1.325) 7(1.25,1.325) 8(1.75,1.325)
  rect 0.4x1 smd mask+0.05: MECH(-2.58,-1.325) MECH(2.58,-1.325)
  silkscreen extent -3,-1.8 3,2.03, body extent -2.85,-1.92 2.85,1.68, height 1.88
5025981593_FPC_CONNECTOR [mm]
  rect 0.3x0.7 smd mask+0.05: 1(-2.1,-1.532) 3(-1.5,-1.532) 5(-0.9,-1.532) 7(-0.3,-1.532) 9(0.3,-1.532) 11(0.9,-1.532) 13(1.5,-1.532) 15(2.1,-1.532)
  rect 0.3x0.5 smd mask+0.05: 2(-1.8,1.533) 4(-1.2,1.533) 6(-0.6,1.533) 8(0,1.533) 10(0.6,1.533) 12(1.2,1.533) 14(1.8,1.533)
  rect 0.35x1 smd mask+0.05: MP1(-3.075,-1.267) MP2(3.075,-1.267)
  silkscreen extent -3.3,-1.9 3.3,1.78, body extent -3.3,-1.77 3.3,2.03, height 1.16
AD5693RACPZ-1RL7_DAC_8LFCSP [mm]
  rect 0.6x0.3 smd mask+0.05: 1(-0.975,0.75) 2(-0.975,0.25) 3(-0.975,-0.25) 4(-0.975,-0.75) 5(0.975,-0.75) 6(0.975,-0.25) 7(0.975,0.25) 8(0.975,0.75)
  rect 0.95x1.6 smd mask+0.05: PAD(0,0)
  silkscreen extent -1.5,-1.1 1.5,1.54, body extent -1.02,-1 1.01,1, height 0.55
Anaren_0805_balun_B0322J5050AHF [mm] "B0430J50100AHF anaren smd 0.4 GHz - 3 GHz balun"
  rrect30% 0.45x0.35 smd mask+0.05: 1(0.65,0.49) 2(0,0.49) 3(-0.65,0.49) 4(-0.65,-0.49) 5(0,-0.49) 6(0.65,-0.49)
  ASM BOT keep-out circle w0.1: c0.65,0.45 r0.035
  silkscreen extent -1.1,-0.4 1.1,0.8, body extent -1.02,-0.65 1.03,0.65, height 0.71
BMI-S-202-C_RF_SHIELD_COVER [mm]
  body extent -8.48,-8.48 8.48,8.48, height 4.03
BMI-S-202-F_RF_SHIELD_FRAME_V2 [mm]
  rect 1x2.5 smd mask+0.05: 1(-8.15,-7.125) 1(-8.15,7.125)
  rect 0.8x3.6 smd mask+0.05: 1(-8.15,0)
  rect 4.55x1 smd mask+0.05: 1(-6.375,-8.15) 1(-6.375,8.15) 1(6.375,-8.15) 1(6.375,8.15)
  rect 3.8x1 smd mask+0.05: 1(0,-8.15) 1(0,8.15)
  rect 1x4.55 smd mask+0.05: 1(8.15,-6.375) 1(8.15,6.375)
  rect 0.5x3.8 smd mask+0.05: 1(8.15,0)
  body extent -8.25,-8.25 8.25,8.25, height 3.6
CAP0201 [mm]
  rect 0.3x0.35 smd mask+0.05: 1(-0.28,0) 2(0.28,0)
  silkscreen extent -0.2,-0.33 0.2,0.32, body extent -0.3,-0.15 0.3,0.15, height 0.25
CAP0402#1 [mm] "Chip Capacitor, Body 1.0x0.5mm, 0402, IPC Medium Density"
  round 0.2 on Mech15: 0(0,0)
  rrect20% 0.6x0.5 smd: 1(-0.5,0) 2(0.5,0)
  Top pour cut-out: -0.2,0.35 0.2,0.35 0.2,-0.35 -0.2,-0.35
  silkscreen extent -1.05,-0.5 1.05,0.5, body extent -0.52,-0.27 0.53,0.28, height 0.55
CAP0402#2 [mm] "Chip Capacitor, Body 1.0x0.5mm, 0402, IPC Medium Density"
  round 0.2 on Mech14: 0(0,0)
  rrect20% 0.6x0.5 smd: 1(-0.5,0) 2(0.5,0)
  Top pour cut-out: -0.2,0.35 0.2,0.35 0.2,-0.35 -0.2,-0.35
  silkscreen extent -1.05,-0.5 1.05,0.5, body extent -0.52,-0.27 0.53,0.28, height 0.55
CAP0603#1 [mm] "Chip Capacitor, Body 1.6x0.8mm, 0603, IPC Medium Density"
  round 0.254 on Mech14: 0(0,0)
  rrect25% 0.9x1 smd: 1(-0.85,0) 2(0.85,0)
  Top pour cut-out: -0.4,0.6 0.4,0.6 0.4,-0.6 -0.4,-0.6
  silkscreen extent -0.18,-0.48 0.18,0.48, body extent -0.85,-0.45 0.85,0.45, height 0.89
CAP0603#2 [mm] "Chip Capacitor, Body 1.6x0.8mm, 0603, IPC Medium Density"
  round 0.254 on Mech15: 0(0,0)
  rrect25% 0.9x1 smd: 1(-0.85,0) 2(0.85,0)
  Top pour cut-out: -0.4,0.6 0.4,0.6 0.4,-0.6 -0.4,-0.6
  silkscreen extent -0.18,-0.48 0.18,0.48, body extent -0.85,-0.45 0.85,0.45, height 0.89